# Altium PCB 2019.06.16.master.PcbDoc (part 4 of 5) (continued)
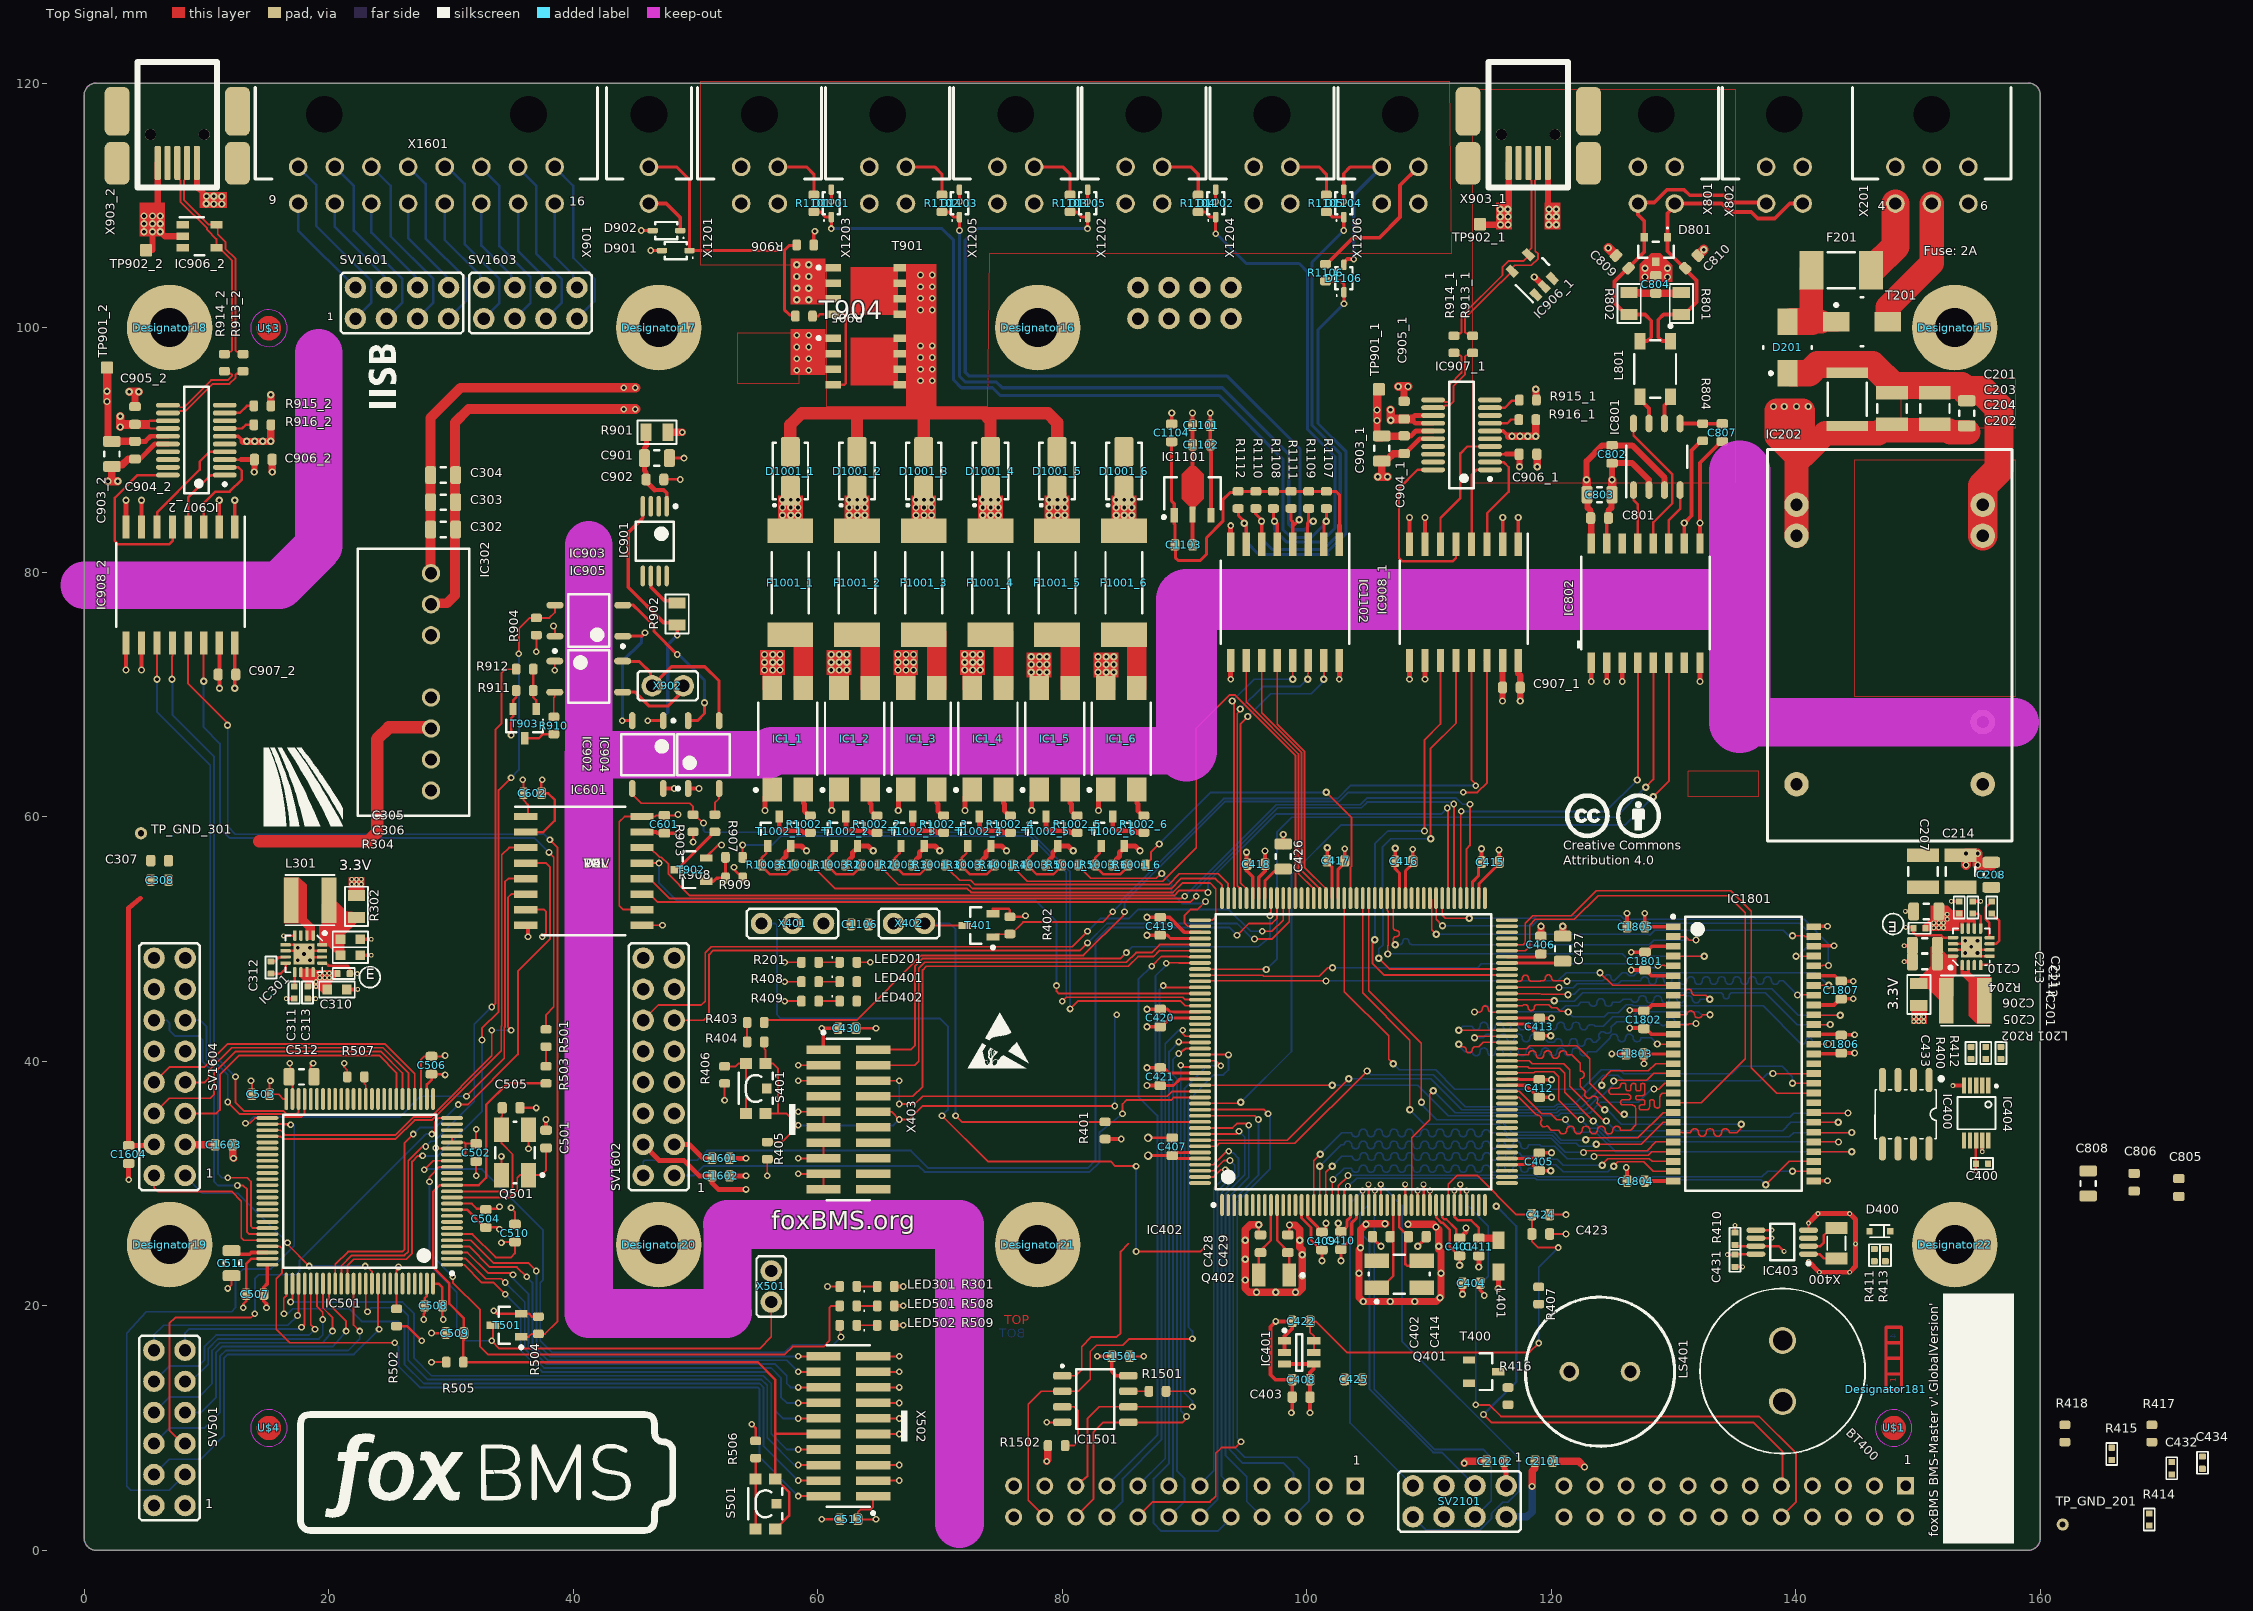
[diagram p0: Top Signal view]
## Nets (pads, with @x,y where several pads share a name; then routed paths per layer and width w, separated by ;. In a path a pad name is that pad's centre, name@x,y a point inside that pad or via, vN(x,y) a via of type N, cw(c..) or ccw(c..) an arc to the next point about the centre after c; other vN are vias at no path point) (continued)
  Top Signal w0.3: v1(3.429,71.999) IC908_2.9@3.429,74.193 ; IC908_2.15@11.049,74.193 11.074,74.168 v1(11.074,70.51) ; 16.533,45.118 C311.2@17.183,45.118 ; C313.2@18.283,45.118 18.933,45.118 ; C310.2@21.483,45.868 22.383,45.868 ; C306.2@22.583,48.668 23.483,48.668 ; C305.2@22.583,49.968 23.483,49.968
  Top Signal w0.305: v2(36.303,50.169) IC601.8@36.303,51.122 ; C501.1@37.782,34.355 v2(37.782,35.228) ; R509.1@66.264,18.4 v2(67.005,18.4) ; R508.1@66.264,19.988 v2(67.005,19.988) ; R301.2@66.264,21.575 v2(67.005,21.575)
  Top Signal w0.406: v2(3.651,30.306) C1604.2@3.651,31.52
  Top Signal w0.61: C1603.2@12.155,33.164 12.155,32.121 v2(12.224,32.053)
GND_EXT_0: C201.1 C202.2 C203.1 C204.1 C302.2 C303.2 C304.2 C1101.2 C1102.2 C1103.2 C1104.2 D1101.2 D1102.2 D1103.2 D1104.2 D1105.2 D1106.2 IC202.2 IC202.3 IC302.1 IC1101.2 IC1102.8 SV901.2 T201.2 X201.5 X1201.1 X1202.1 X1203.1 X1204.1 X1205.1 X1206.1 | length 121.3
  Top Signal w0.152: D1106.2@103.19,105.243 D1106.2@103.19,105.482
  Top Signal w0.254: v2(61.119,110.316) D1101.2@61.119,111.258 ; v2(71.596,110.316) D1103.2@71.596,111.258 ; v2(82.074,110.316) D1105.2@82.074,111.258 ; v2(92.551,110.316) D1102.2@92.551,111.258 ; v2(103.029,110.316) D1104.2@103.029,111.258 ; D1104.2@103.029,111.283 103.029,112.605 103.566,113.142 X1206.1@106.133,113.142
  Top Signal w0.305: C1104.2@88.951,92.114 v1(88.951,93.019) ; C1103.2@90.661,82.224 IC1101.2@90.661,84.701 C1102.2@90.661,90.424 C1101.2@90.661,91.999 v2(90.661,93.019) ; D1106.2@103.041,105.142 103.041,105.342 103.305,105.606 103.817,105.606 v2(103.835,105.588)
  Top Signal w0.4: IC1102.8@93.777,82.269 v2(93.777,83.803)
  Top Signal w0.813: IC302.1@28.375,79.91 28.344,79.941 C302.2@28.344,83.488 C303.2@28.344,85.71 C304.2@28.344,87.933 28.344,92.623 30.797,95.076 v2(44.133,95.076) v2(45.085,95.076)
  Top Signal w2: 138.455,93.218 138.455,93.193 ; IC202.3@140.056,82.976 IC202.2@140.056,85.516 140.056,88.976 ; 147.525,101.321 147.525,101.653 151.13,105.258 X201.5@151.13,110.145 ; 154.114,91.44 152.629,91.44 152.451,91.618 147.041,91.618 146.761,91.338 142.418,91.338 141.021,89.941 ; 138.455,93.193 138.455,92.507 140.564,90.398 ; 138.455,93.193 138.481,93.218 140.564,93.218 140.564,90.398 ; 138.455,93.193 138.43,93.167 138.43,91.11 140.056,89.484 140.056,88.976 ; 140.056,88.976 141.021,89.941 ; 140.564,90.398 141.021,89.941
  Inner Signal w2: 91.973,114.376 91.973,109.285 91.001,108.313 91.001,107.029 93.81,104.22 SV901.2@93.81,103.27
  Bottom Signal w0.305: v2(103.835,105.588) 103.835,110.844 X1206.1@106.133,113.142
  other v1: 138.176,93.548 139.065,93.548 140.056,93.548 141.021,93.548
GND_EXT_2: C901.2 C902.2 D901.2 D902.2 R906.1 SV901.4 SV901.6 SV901.8 T901.1 T901.2 T901.3 T904.1 T904.2 T904.3 X201.3 X201.6 | length 5.5
  Top Signal w0.203: D902.2@46.487,107.935 D902.2@46.514,107.908 ; C902.2@47.541,87.577 v2(48.755,87.577)
  Top Signal w0.254: v2(45.561,107.935) D902.2@46.487,107.935 ; v2(46.355,106.299) D901.2@47.262,106.299 ; C901.2@47.8,89.323 C901.2@47.875,89.323 v2(49.073,89.323) ; R906.1@59.679,106.756 59.679,107.774 v2(59.773,107.867)
  Bottom Signal w1.27: SV901.4@91.27,103.27 SV901.4@91.281,103.27
  other v1: 58.293,102.273 59.258,102.273 58.293,103.226 59.258,103.226 58.293,104.178 59.258,104.178 58.293,105.131 59.258,105.131
  other v2: 58.293,96.507 59.258,96.507 58.293,97.46 59.258,97.46 58.293,98.412 59.258,98.412 58.293,99.365 59.258,99.365
GPIO.RTC_INT#: IC403.7 R410.1 | length 4.2
  Top Signal w0.2: R410.1@135.024,24.877 IC403.7@136.734,24.877 138.6,24.877 v3(139.04,24.437)
GPIO_MCU_1_0: IC501.83 SV501.7 | length 22.4
  Top Signal w0.152: IC501.83@20.042,21.604 20.042,20.106 21.431,18.718 v2(21.431,17.924)
  Bottom Signal w0.152: SV501.7@8.255,11.27 8.269,11.256 9.525,11.256 10.795,12.526 10.795,16.178 11.271,16.654 20.32,16.654 v2(21.431,17.924)
GPIO_MCU_1_1: IC501.82 SV501.8 | length 23
  Top Signal w0.152: IC501.82@19.543,21.604 19.543,19.813 20.32,19.035 v2(20.32,17.924)
  Bottom Signal w0.152: SV501.8@5.715,11.27 6.971,12.526 9.366,12.526 10.477,13.638 10.477,16.336 11.112,16.971 19.526,16.971 v2(20.32,17.924)
GPIO_MCU_1_2: IC501.81 SV501.9 | length 18
  Top Signal w0.152: IC501.81@19.042,21.804 19.042,19.953 19.526,19.47 v2(19.526,18.876)
  Bottom Signal w0.152: SV501.9@8.255,13.81 8.745,13.81 10.16,15.225 10.16,16.495 10.954,17.289 19.209,17.289 19.526,17.606 v2(19.526,18.876)
GPIO_MCU_1_3: IC501.80 SV501.10 | length 19.3
  Top Signal w0.152: IC501.80@18.543,21.604 18.543,18.431 v2(18.891,18.083)
  Bottom Signal w0.152: SV501.10@5.715,13.81 6.971,15.066 9.366,15.066 9.842,15.543 9.842,16.654 10.795,17.606 18.415,17.606 v2(18.891,18.083)
GPIO_MCU_1_4: IC501.79 SV501.11 | length 14.9
  Top Signal w0.152: 18.042,18.455 v2(17.78,18.241) 18.042,18.504 IC501.79@18.042,21.604
  Bottom Signal w0.152: SV501.11@8.255,16.35 8.255,17.765 8.572,18.083 17.621,18.083 v2(17.78,18.241)
GPIO_MCU_1_5: IC501.78 SV501.12 | length 16.1
  Top Signal w0.152: v2(17.462,19.194) 17.543,19.274 IC501.78@17.543,21.604
  Bottom Signal w0.152: SV501.12@5.715,16.35 5.715,17.606 6.509,18.4 16.669,18.4 v2(17.462,19.194)
HSE_1_MCU_0: C402.2 IC402.29 Q401.1 | length 8
  Top Signal w0.2: Q401.1@105.719,21.481 106.119,21.481 107.072,22.434 107.072,25.068 107.072,25.162 ; IC402.29@107.072,28.234 C402.2@107.072,25.654 ; 107.072,25.162 C402.2@107.072,25.654 ; 107.072,25.162 C402.2@107.072,25.654
HSE_1_MCU_1: C501.2 IC501.12 Q501.1 | length 11
  Top Signal w0.152: IC501.12@30.092,28.854 34.823,28.854 35.433,29.464 35.433,30.471 35.641,30.679 Q501.1@36.343,30.679 37.384,30.679 37.782,31.077 C501.2@37.782,32.905
HSE_2_MCU_0: C414.1 IC402.30 Q401.3 | length 9.6
  Top Signal w0.2: IC402.30@107.573,28.234 107.573,26.399 107.945,26.026 ; C414.1@108.317,25.654 C414.1@108.072,25.899 ; Q401.3@109.419,23.681 109.005,23.266 108.204,23.266 108.072,23.398 ; 107.945,26.026 C414.1@108.072,25.899 ; 107.945,26.026 C414.1@108.072,25.899 ; 108.072,23.398 C414.1@108.072,25.899 ; 108.072,23.398 C414.1@108.072,25.899
HSE_2_MCU_1: C505.1 IC501.13 Q501.3 | length 12
  Top Signal w0.152: IC501.13@30.092,29.354 34.815,29.354 35.052,29.591 35.052,32.368 34.142,33.277 Q501.3@34.142,34.379 34.142,35.48 34.2,35.538 C505.1@34.2,36.18
I2C3.SCL: IC400.6 IC402.119 IC403.6 IC404.7 R414.1 | length 1.3
  Top Signal w0.2: IC403.6@136.734,25.527 v3(138.04,25.527)
I2C3.SDA: IC400.5 IC402.118 IC403.5 IC404.6 R415.1 | length 1.3
  Top Signal w0.2: IC403.5@136.734,26.177 v3(138.04,26.177)
INTERLOCK_CONTROL_MCU_0: IC402.146 R909.2 | length 50.9
  Top Signal w0.152: R909.2@53.859,56.678 v2(53.859,57.683) ; v2(80.01,44.911) 80.328,45.229 89.852,45.229 90.048,45.034 IC402.146@91.072,45.034
  Bottom Signal w0.152: v2(53.859,57.683) 56.27,57.683 56.991,58.405 77.371,58.405 80.328,55.448 80.328,45.229 v2(80.01,44.911)
INTERLOCK_CONTROL_MCU_1: IC501.85 R912.2 | length 59.6
  Top Signal w0.152: IC501.85@21.042,21.604 21.042,23.25 21.907,24.115 26.194,24.115 26.511,24.433 26.511,31.867 27.664,33.02 v2(27.94,33.02) ; v2(33.337,44.435) 33.655,44.753 33.655,67.136 34.131,67.613 34.131,71.74 34.449,72.058 R912.2@35.186,72.058
  Bottom Signal w0.152: v2(27.94,33.02) 28.371,33.451 28.647,33.451 31.909,36.713 31.909,43.006 v2(33.337,44.435)
INTERLOCK_FEEDBACK_MCU_0: IC402.147 IC902.3 R903.2 | length 61.2
  Top Signal w0.152: IC902.3@44.831,61.84 45.573,61.098 49.519,61.098 49.814,60.803 49.814,60.166 R903.2@49.818,60.161 ; R903.2@49.809,60.161 R903.2@49.818,60.161 ; v2(50.667,59.487) 50.584,59.487 49.909,60.161 R903.2@49.818,60.161 ; v2(80.645,44.276) 81.28,44.911 89.694,44.911 90.071,44.534 IC402.147@91.072,44.534
  Bottom Signal w0.152: v2(50.667,59.487) 50.667,58.855 50.8,58.723 77.421,58.723 80.645,55.499 ; v2(80.645,44.276) 80.645,55.448
INTERLOCK_FEEDBACK_MCU_1: IC501.86 IC903.3 R904.2 | length 67.1
  Top Signal w0.152: IC501.86@21.543,21.604 IC501.86@21.543,21.804 21.543,23.274 22.066,23.798 26.352,23.798 26.829,24.274 26.829,31.782 27.305,32.258 v2(27.686,32.258) ; v2(32.544,41.736) 32.544,42.689 33.909,44.054 33.909,62.171 v2(34.925,63.187) ; v2(35.56,73.328) 35.56,75.373 36.437,76.25 R904.2@36.989,76.25 38.064,76.25 38.511,76.697 IC903.3@38.511,77.298
  Bottom Signal w0.152: v2(27.686,32.258) 28.939,32.258 32.544,35.863 v2(32.544,41.736) ; v2(34.925,63.187) 35.56,63.822 ; 35.56,63.83 v2(35.56,73.328)
INTERLOCK_STATUS: D901.1 R905.1 R906.2 SV901.1 X901.1 | length 24.7
  Top Signal w0.152: X901.1@46.2,113.06 X901.1@46.2,113.14
  Top Signal w0.203: R906.2@58.129,106.756 R906.2@58.185,106.812
  Top Signal w0.254: X901.1@46.2,113.14 48.453,113.14 49.512,112.08 D901.1@49.512,106.299 57.27,106.299 ; R905.1@58.177,100.94 58.075,101.042 57.697,101.042 57.27,101.469 57.27,106.299 ; R906.2@58.279,106.656 R906.2@58.279,106.756 58.248,106.726 57.697,106.726 57.27,106.299
  Bottom Signal w0.203: SV901.1@93.81,100.73 SV901.1@93.821,100.719
ISO_FTDI_DTR_1: IC907_1.1 IC908_1.4 | length 7.4
  Top Signal w0.2: IC908_1.4@113.476,82.269 113.476,87.937 113.855,88.316 ; 113.762,88.316 113.855,88.316 ; 113.855,88.316 113.903,88.364 IC907_1.1@114.98,88.364 ; IC907_1.1@114.98,88.364 IC907_1.1@114.983,88.367 IC907_1.1@114.98,88.364
ISO_FTDI_DTR_2: IC907_2.1 IC908_2.4 | length 6.2
  Top Signal w0.2: IC908_2.4@8.509,83.693 8.509,86.106 10.287,87.884 10.381,87.884 10.429,87.932 11.505,87.932 IC907_2.1@11.508,87.935
ISO_FTDI_RTS_1: IC907_1.2 IC908_1.3 | length 8.8
  Top Signal w0.2: IC908_1.3@114.746,82.269 114.746,84.808 116.52,86.582 116.52,88.58 116.101,88.999 114.985,88.999 IC907_1.2@114.983,89.002
ISO_FTDI_RTS_2: IC907_2.2 IC908_2.3 | length 8.1
  Top Signal w0.2: IC908_2.3@9.779,83.693 9.779,85.623 10.744,86.589 11.905,86.589 12.903,87.587 12.903,88.29 12.627,88.567 11.511,88.567 IC907_2.2@11.508,88.57
ISO_FTDI_RX_1: IC907_1.4 IC908_1.6 | length 10.8
  Top Signal w0.2: IC908_1.6@110.936,82.269 110.936,84.425 112.561,86.05 112.561,89.702 113.13,90.272 IC907_1.4@114.983,90.272
ISO_FTDI_RX_2: IC907_2.4 IC908_2.6 | length 9.2
  Top Signal w0.2: IC908_2.6@5.969,83.693 5.969,84.887 9.449,88.367 9.449,89.027 10.262,89.84 IC907_2.4@11.508,89.84
ISO_FTDI_TX_1: IC907_1.20 IC908_1.5 | length 15.1
  Top Signal w0.2: IC907_1.20@110.333,88.367 109.072,88.367 107.544,86.839 107.544,81.153 107.823,80.874 111.927,80.874 112.206,81.153 IC908_1.5@112.206,82.269
ISO_FTDI_TX_2: IC907_2.20 IC908_2.5 | length 14.7
  Top Signal w0.2: IC907_2.20@6.858,87.935 4.369,87.935 2.515,86.081 2.515,82.55 2.794,82.271 6.96,82.271 7.239,82.55 IC908_2.5@7.239,83.693
ISO_GPIO_MCU_0_IN_0: IC402.100 JP2202.21
ISO_GPIO_MCU_0_IN_1: IC402.101 JP2202.24 | length 0
  Bottom Signal w0.152: JP2202.24@121.03,2.73 JP2202.24@121.032,2.732
ISO_GPIO_MCU_0_IN_2: IC402.154 JP2201.14 | length 40.7
  Top Signal w0.152: v2(89.535,40.625) 90.102,41.034 IC402.154@91.072,41.034
  Bottom Signal w0.152: JP2201.14@88.73,2.73 90.011,4.011 90.011,5.859 89.376,6.494 89.376,38.561 89.059,38.879 89.059,40.149 v2(89.535,40.625)
ISO_GPIO_MCU_0_IN_3: IC402.173 JP2201.9 | length 31.7
  Top Signal w0.152: IC402.173@91.072,31.534 92.367,31.534 93.472,32.639 v2(93.61,32.639)
  Bottom Signal w0.152: v2(93.61,32.639) 93.748,32.639 93.884,32.503 93.985,32.503 94.409,32.079 94.409,30.611 93.027,29.229 93.027,6.053 JP2201.9@93.81,5.27
ISO_GPIO_MCU_0_OUT_0: IC402.152 JP2201.10 | length 50.5
  Top Signal w0.152: v2(89.852,42.53) 89.852,42.227 90.046,42.034 IC402.152@91.072,42.034
  Bottom Signal w0.152: v2(89.852,42.53) 89.535,42.53 88.424,41.419 88.424,38.561 88.741,38.244 88.741,7.129 87.471,5.859 87.471,2.208 88.106,1.573 92.71,1.573 93.81,2.673 JP2201.10@93.81,2.729
ISO_GPIO_MCU_0_OUT_1: IC402.153 JP2201.13 | length 38.5
  Top Signal w0.152: v2@89.491,41.534 v2(89.535,41.578) 89.579,41.534 IC402.153@91.072,41.534
  Bottom Signal w0.152: JP2201.13@88.73,5.27 89.059,5.599 89.059,38.403 88.741,38.72 88.741,40.784 v2(89.535,41.578)
ISO_GPIO_MCU_0_OUT_2: IC402.174 JP2201.12 | length 33.5
  Top Signal w0.152: IC402.174@91.072,31.034 92.375,31.034 93.218,31.877 v2(93.726,31.877)
  Bottom Signal w0.152: JP2201.12@91.27,2.73 92.71,4.17 92.71,29.388 94.107,30.785 94.107,31.496 v2(93.726,31.877)
ISO_GPIO_MCU_0_OUT_3: IC402.175 JP2201.11 | length 29.2
  Top Signal w0.152: IC402.175@91.072,30.534 92.383,30.534 92.964,31.115 v2(93.345,31.115)
  Bottom Signal w0.152: JP2201.11@91.27,5.27 91.281,5.281 91.281,5.383 92.392,6.494 92.392,29.596 93.345,30.548 v2(93.345,31.115)
ISONOC_0_CONTROL: IC402.85 JP2202.15
ISONOC_1_CONTROL: IC402.86 JP2202.18
ISONOC_2_CONTROL: IC402.87 JP2202.17
ISONOC_3_CONTROL: IC402.88 JP2202.20
ISONOC_4_CONTROL: IC402.89 JP2202.19
ISONOC_5_CONTROL: IC402.99 JP2202.22 | length 0
  Bottom Signal w0.152: JP2202.22@123.57,2.73 JP2202.22@123.572,2.732
LSE_1_MCU_0: C428.2 IC402.9 Q402.2 | length 6.1
  Top Signal w0.2: Q402.2@96.057,22.52 96.057,24.339 96.063,24.345 97.073,25.354 IC402.9@97.073,28.234
LSE_2_MCU_0: C429.1 IC402.10 Q402.1 | length 6.1
  Top Signal w0.2: IC402.10@97.573,28.234 97.573,25.35 98.557,24.365 Q402.1@98.557,22.52
MCU_0_NRESET: C425.1 IC201.4 IC402.31 R404.1 R405.1 S401.3 S401.4 X403.10 | length 51.9
  Top Signal w0.152: R404.1@55.628,41.578 55.628,41.026 55.728,40.926 S401.4@55.728,39.818 56.329,39.818 56.769,39.378 56.769,35.717 ; S401.3@55.728,35.717 56.769,35.717 ; R405.1@55.88,33.388 57.056,33.388 v2(58.42,34.751) 57.454,35.717 56.769,35.717 ; X403.10@64.535,35.863 66.04,35.863 v2(66.675,35.228) 67.469,35.228 68.58,36.339 v2(84.296,36.339)
  Top Signal w0.2: IC402.31@108.072,28.234 v4@108.072,29.903 ; IC201.4@155.106,47.872 156.021,47.872
  Bottom Signal w0.152: v2(58.42,34.751) 66.199,34.751 v2(66.675,35.228) ; v2(84.296,36.339) 84.296,43.641 v2(84.455,43.8)
  other v4: 108.05,29.926
MCU_0_RTC_ALARM_OUT: IC402.8 X401.3 | length 60.8
  Top Signal w0.152: v2(70.168,35.545) 73.912,31.801 83.955,31.801 84.338,31.418 v2(86.042,31.418) ; v2(86.042,24.433) 91.281,24.433 91.599,24.75
  Bottom Signal w0.152: X401.3@55.404,51.261 56.514,51.261 56.674,51.102 56.674,43.8 56.991,43.483 70.009,43.483 70.644,42.848 70.644,36.021 v2(70.168,35.545) ; v2(86.042,24.433) v2(86.042,31.418)
MCU_0_RTC_WAKEUP_IN: IC402.40 X401.2 | length 1.7
  Top Signal w0.2: IC402.40@112.572,28.234 v4@112.572,29.903
  other v4: 112.549,29.926
MCU_0_SWCLK: IC402.137 X403.4 | length 35.1
  Top Signal w0.152: X403.4@64.535,39.673 67.945,39.673 68.263,39.99 68.263,47.61 68.739,48.086 85.249,48.086 86.042,48.88 87.312,48.88 87.966,49.534 IC402.137@91.072,49.534
MCU_0_SWDIO: IC402.124 X403.2 | length 43.6
  Top Signal w0.152: X403.2@64.535,40.943 67.627,40.943 67.945,41.26 67.945,47.769 68.58,48.404 84.772,48.404 v2(85.249,48.88) ; IC402.124@97.072,53.534 v2@97.072,51.979 ; v2@97.072,51.979 97.072,51.972 v2(96.996,51.896) v2@97.072,51.979
  Bottom Signal w0.152: v2(85.249,48.88) 85.725,49.356 96.044,49.356 96.996,50.15 v2(96.996,51.896)
MCU_0_SWO: IC402.161 X403.6 | length 28.9
  Top Signal w0.152: X403.6@64.535,38.403 v2(66.675,38.403) ; v2(66.675,36.498) 67.945,36.498 68.58,37.133 88.582,37.133 88.984,37.534 IC402.161@91.072,37.534
  Bottom Signal w0.152: v2(66.675,36.498) v2(66.675,38.403)
MCU_0_TDI: IC402.138 X403.8 | length 37.3
  Top Signal w0.152: X403.8@64.535,37.133 67.786,37.133 68.58,37.926 68.58,47.451 68.897,47.769 85.407,47.769 86.196,48.557 87.466,48.557 87.947,49.039 87.952,49.034 IC402.138@91.273,49.034
MCU_1_NRESET: C509.1 IC301.4 IC501.14 R503.1 R505.1 S501.3 S501.4 X502.10 | length 75.5
  Top Signal w0.2: v3(16.318,50.243) IC301.4@17.233,50.243
  Top Signal w0.203: R503.1@37.782,38.179 34.623,38.179 32.893,36.449 32.893,30.48 32.267,29.854 IC501.14@30.092,29.854 29.091,29.854 28.574,29.337 28.574,23.115 29.878,21.811 29.878,20.16 31.046,18.992 C509.1@31.046,17.765 31.046,17.188 31.021,17.163 R505.1@31.021,15.384 55.101,15.384 56.521,13.964 56.521,9.525 ; S501.3@56.521,1.745 56.571,1.745 57.658,2.832 57.658,4.758 56.571,5.845 S501.4@56.521,5.845 56.521,9.525 ; X502.10@60.465,9.51 58.963,9.51 58.948,9.525 56.521,9.525
MCU_1_SWCLK: IC501.76 X502.4 | length 57.2
  Top Signal w0.152: v2(16.351,19.353) 16.337,19.367 16.337,20.596 16.543,20.802 IC501.76@16.543,21.804 ; v2(58.42,5.7) X502.4@60.465,5.7
  Bottom Signal w0.152: v2(16.351,19.353) 16.669,19.353 17.064,19.748 21.671,19.748 22.701,18.718 25.717,18.718 26.194,18.241 26.194,15.225 27.781,13.638 55.245,13.638 55.562,13.32 55.562,8.558 v2(58.42,5.7)
MCU_1_SWDIO: IC501.72 X502.2 | length 62.6
  Top Signal w0.152: IC501.72@14.993,24.854 15.994,24.854 16.192,24.655 16.192,22.686 15.716,22.21 15.716,18.083 16.828,16.971 v2(25.4,16.971) ; v2(58.42,4.43) X502.2@60.465,4.43
  Bottom Signal w0.152: v2(25.4,16.971) 25.717,16.654 25.717,15.066 27.464,13.32 55.086,13.32 55.245,13.161 55.245,7.605 v2(58.42,4.43)
MCU_1_SWO: IC501.89 X502.6 | length 49.6
  Top Signal w0.152: v2@23.019,19.67 v2@23.043,19.646 ; IC501.89@23.043,21.604 v2@23.043,19.646 ; v2(23.177,19.511) v2@23.043,19.646 ; v2(58.42,6.97) X502.6@60.465,6.97
  Bottom Signal w0.152: v2(23.177,19.511) 23.495,19.829 25.876,19.829 26.511,19.194 26.511,15.543 28.099,13.955 55.404,13.955 55.88,13.479 55.88,9.193 58.102,6.97 v2(58.42,6.97)
MCU_1_TDI: IC501.77 X502.8 | length 54.7
  Top Signal w0.152: v2@17.042,20.408 16.94,20.305 v2(16.891,20.305) 16.891,20.369 17.042,20.52 IC501.77@17.042,21.604 ; v2(58.42,8.24) X502.8@60.465,8.24
  Bottom Signal w0.152: v2(16.891,20.305) 26.035,20.305 26.987,19.353 26.987,15.701 28.416,14.273 55.562,14.273 56.197,13.638 56.197,9.51 57.468,8.24 v2(58.42,8.24)
MCU_TO_FPGA_INTERFACE_MCU_0_CS: IC402.24 SV2101.7 | length 28
  Top Signal w0.2: IC402.24@104.573,28.234 v4(104.573,29.412) v4@104.573,29.52
  Bottom Signal w0.15: v4(104.573,29.412) 103.55,28.39 103.55,10.41 SV2101.7@108.69,5.27
MCU_TO_FPGA_INTERFACE_MCU_0_MISO: IC402.26 SV2101.4 | length 34.8
  Top Signal w0.2: IC402.26@105.573,28.234 v4(105.573,29.412) v4@105.573,29.52
  Bottom Signal w0.15: 105.52,24.435 105.52,29.36 v4(105.573,29.412)
  Bottom Signal w0.152: 105.52,24.435 105.52,13.174 110.439,8.255 114.437,8.255 115.094,7.543 115.094,4.054 SV2101.4@113.77,2.73
MCU_TO_FPGA_INTERFACE_MCU_0_MOSI: IC402.27 SV2101.8 | length 42.1
  Top Signal w0.2: IC402.27@106.072,28.234 v4@106.072,29.903
  Bottom Signal w0.15: v4(106.05,29.926) 107.783,28.193 107.783,17.099 117.36,7.522 117.36,4.835 116.446,3.922 116.017,3.922 115.103,3.008 115.103,2.578 114.205,1.68 109.74,1.68 SV2101.8@108.69,2.73
MCU_TO_FPGA_INTERFACE_MCU_0_SCK: IC402.25 SV2101.3 | length 30.9
  Top Signal w0.2: IC402.25@105.072,28.234 v4@105.072,29.903
  Bottom Signal w0.15: v4(105.05,29.926) 105.05,28.24 104.338,27.529 104.338,26.45 104.345,26.443 104.345,26.007 105.12,25.233 105.12,13.219 110.335,8.004 111.036,8.004 SV2101.3@113.77,5.27
MCU_TO_MCU_INTERFACE_MCU_0_CS: IC402.92 IC601.12 | length 79.8
  Top Signal w0.152: IC601.12@45.628,54.932 46.278,54.932 47.913,53.296 89.716,53.296 89.904,53.484 v2(90.011,53.484) ; IC402.92@113.073,53.334 113.073,57.376 113.347,57.651 v2(113.347,61.011)
  Bottom Signal w0.152: v2(90.011,53.484) 97.505,60.977 104.371,60.977 104.912,61.518 112.23,61.518 112.738,61.011 v2(113.347,61.011)
MCU_TO_MCU_INTERFACE_MCU_0_MISO: IC402.94 IC601.11 | length 78.2
  Top Signal w0.152: IC601.11@45.628,53.662 46.278,53.662 46.934,53.006 90.486,53.006 v2(90.964,53.484) ; v2(112.032,61.04) 112.052,61.02 112.052,53.354 IC402.94@112.073,53.334
  Bottom Signal w0.152: v2(90.964,53.484) 90.964,54.059 97.629,60.725 104.475,60.725 104.934,61.184 111.78,61.184 111.924,61.04 v2(112.032,61.04)
MCU_TO_MCU_INTERFACE_MCU_0_MOSI: IC402.95 IC601.14 | length 79
  Top Signal w0.152: IC601.14@45.628,57.472 46.278,57.472 47.07,56.68 47.224,56.68 47.803,56.101 47.803,55.289 49.543,53.549 89.163,53.549 89.576,53.962 91.65,53.962 91.815,53.797 v2(91.923,53.797) ; v2(111.481,60.706) 111.544,60.642 111.544,53.362 IC402.95@111.572,53.334
  Bottom Signal w0.152: v2(91.923,53.797) 91.923,54.661 97.467,60.206 110.98,60.206 v2(111.481,60.706)
MCU_TO_MCU_INTERFACE_MCU_0_SCK: IC402.145 IC601.13 | length 54.4
  Top Signal w0.152: IC601.13@45.406,56.202 IC601.13@45.628,56.202 v2(47.026,56.202) ; v2(79.534,46.181) 79.534,45.705 79.705,45.534 IC402.145@91.072,45.534
  Bottom Signal w0.152: v2(47.026,56.202) 47.026,54.559 48.419,53.166 77.787,53.166 79.534,51.42 v2(79.534,46.181)
MCU_TO_MCU_INTERFACE_MCU_1_CS: IC501.51 IC601.5 | length 41.8
  Top Signal w0.152: v2(13.208,34.925) 13.562,34.925 13.991,35.354 IC501.51@14.993,35.354 ; v2(31.274,37.133) 34.371,40.229 34.371,42.76 34.417,42.806 34.417,54.661 34.688,54.932 IC601.5@36.128,54.932 IC601.5@36.351,54.932
  Bottom Signal w0.152: v2(13.208,34.925) 13.335,34.925 13.843,35.433 25.806,35.433 27.505,37.133 v2(31.274,37.133)
MCU_TO_MCU_INTERFACE_MCU_1_MISO: IC501.53 IC601.6 | length 37.8
  Top Signal w0.152: IC501.53@14.792,34.354 IC501.53@14.993,34.354 16.065,34.354 16.461,33.958 25.449,33.958 26.924,35.433 28.343,35.433 33.337,40.428 v2(33.337,42.53) ; v2(34.925,42.53) 34.671,42.784 34.671,53.391 34.942,53.662 IC601.6@36.128,53.662 IC601.6@36.351,53.662
  Bottom Signal w0.152: v2(33.337,42.53) v2(34.925,42.53)
MCU_TO_MCU_INTERFACE_MCU_1_MOSI: IC501.54 IC601.3 | length 40.9
  Top Signal w0.152: IC501.54@14.792,33.854 16.057,33.854 16.271,33.64 25.49,33.64 27.029,35.179 28.448,35.179 34.117,40.848 34.117,42.865 34.163,42.911 34.163,56.868 34.766,57.472 IC601.3@36.128,57.472 IC601.3@36.351,57.472
MCU_TO_MCU_INTERFACE_MCU_1_SCK: IC501.84 IC601.4 | length 47.2
  Top Signal w0.152: IC501.84@20.543,21.604 IC501.84@20.543,21.804 20.543,23.385 21.59,24.433 26.035,24.433 26.194,24.591 26.194,33.306 v2(26.924,34.036) ; v2(30.607,36.449) 31.374,36.449 35.479,40.554 35.479,47.371 38.1,49.991 38.1,55.884 37.782,56.202 IC601.4@36.351,56.202
  Bottom Signal w0.152: v2(26.924,34.036) 27.478,34.59 28.748,34.59 v2(30.607,36.449)
Memory_SUPPLY_CONTROL: IC402.33 JP2201.21 | length 1.3
  Top Signal w0.2: IC402.33@109.072,28.234 v4@109.072,29.52
  other v4: 109.072,29.412
NetC211_1: C211.1 IC201.9 | length 1.8
  Top Signal w0.2: C211.1@154.47,52.073 154.885,52.073 155.106,51.852 IC201.9@155.106,50.822
NetC212_1: C212.1 IC201.7 | length 3.4
  Top Signal w0.2: IC201.7@155.831,49.597 IC201.7@155.981,49.597 156.356,49.597 156.642,49.883 156.642,51.452 C212.1@156.021,52.073
NetC212_2: C212.2 IC201.8 | length 3.3
  Top Signal w0.2: IC201.8@155.831,50.097 155.831,51.314 155.526,51.619 155.526,52.578 C212.2@156.021,53.073
NetC305_1: C305.1 C306.1 IC301.16 L301.2 LED301.2 R302.2 | length 0.9
  Top Signal w0.152: v2(60.801,21.575) LED301.2@61.75,21.575
NetC311_1: C311.1 IC301.9 | length 1.1
  Top Signal w0.2: C311.1@17.233,46.168 IC301.9@17.233,47.143 IC301.9@17.233,47.293
NetC312_1: C312.1 IC301.7 | length 1.4
  Top Signal w0.2: C312.1@15.283,48.168 15.633,48.168 15.983,48.518 IC301.7@16.358,48.518 IC301.7@16.508,48.518
NetC312_2: C312.2 IC301.8 | length 1.8
  Top Signal w0.2: C312.2@15.283,47.168 16.083,47.168 16.508,47.593 IC301.8@16.508,48.018
NetC426_1: C426.1 IC402.125 | length 3.4
  Top Signal w0.25: IC402.125@96.572,53.334 96.572,54.741 97.57,55.739 C426.1@98.171,55.739
NetC427_1: C427.1 IC402.81 | length 4.5
  Top Signal w0.25: IC402.81@116.573,48.034 C427.1@120.955,48.034 ; C427.1@120.853,48.398 C427.1@120.929,48.475
NetC511_1: C511.1 IC501.73 | length 3
  Top Signal w0.305: C511.1@12.065,24.205 13.542,24.205 13.691,24.354 IC501.73@14.993,24.354
NetC512_1: C512.1 IC501.49 | length 3
  Top Signal w0.152: v2(16.828,39.831) 16.828,39.524 17.055,39.297 17.055,38.72 17.055,38.143 17.042,38.131 IC501.49@17.042,36.904
NetC901_1: C901.1 C902.1 IC901.1 R901.1 | length 7.1
  Top Signal w0.3: 46.66,86.716 47.396,86.716 47.648,86.464 IC901.1@47.648,85.385
  Top Signal w0.4: R901.1@45.992,91.228 45.992,90.316 45.825,90.15 C901.1@45.825,89.323 45.825,88.295 45.967,88.153 C902.1@45.967,87.577 45.967,87.409 46.66,86.716
NetD201_2: D201.2 F201.2 T201.1 | length 7.9
  Top Signal w1.6: 142.088,100.482 T201.1@143.305,100.482
  Top Signal w1.9: F201.2@141.263,104.699 141.263,100.532 141.311,100.484 142.086,100.484 142.088,100.482
  Top Signal w2.2: D201.2@139.649,100.484 141.311,100.484
NetD400_2: D400.2 R411.1
NetD902_1: D902.1 IC905.3 X901.2 X902.1 | length 54.2
  Top Signal w0.254: IC905.3@44.047,70.182 45.08,70.182 46.225,69.037 47.74,69.037 X902.1@49.403,70.7
  Top Signal w0.3: X901.2@46.2,110.145 47.614,110.145 48.75,109.009 D902.1@48.75,107.935
  Inner Signal w0.6: X901.2@46.2,110.145 42.57,106.515 42.57,77.14 X902.1@49.01,70.7
NetF201_1: F201.1 X201.4 | length 6
  Top Signal w2.3: F201.1@146.406,104.902 148.146,106.642 X201.4@148.146,110.145
NetF1001_1_1: F1001_1.1 IC1_1.3 | length 4.5
  Top Signal w1.6: IC1_1.3@58.826,70.52 F1001_1.1@58.826,75.016
NetF1001_2_1: F1001_2.1 IC1_2.3 | length 4.5
  Top Signal w1.6: IC1_2.3@64.283,70.52 F1001_2.1@64.283,75.016
NetF1001_3_1: F1001_3.1 IC1_3.3 | length 4.5
  Top Signal w1.6: IC1_3.3@69.739,70.52 F1001_3.1@69.739,75.016
NetF1001_4_1: F1001_4.1 IC1_4.3 | length 4.5
  Top Signal w1.6: IC1_4.3@75.195,70.52 F1001_4.1@75.195,75.016
NetF1001_5_1: F1001_5.1 IC1_5.3 | length 4.5
  Top Signal w1.6: IC1_5.3@80.651,70.52 F1001_5.1@80.651,75.016
NetF1001_6_1: F1001_6.1 IC1_6.3 | length 4.5
  Top Signal w1.6: IC1_6.3@86.107,70.52 F1001_6.1@86.107,75.016
NetIC1_1_2: IC1_1.2 R1002_1.2 | length 2.4
  Top Signal w0.4: IC1_1.2@58.826,62.22 58.826,61.119 58.922,61.023 58.922,60.456 59.293,60.085 R1002_1.2@59.393,60.085
NetIC1_2_2: IC1_2.2 R1002_2.2 | length 2.4
  Top Signal w0.4: IC1_2.2@64.283,62.22 64.283,61.119 64.378,61.023 64.378,60.456 64.749,60.085 R1002_2.2@64.849,60.085
NetIC1_3_2: IC1_3.2 R1002_3.2 | length 2.4
  Top Signal w0.4: IC1_3.2@69.739,62.22 69.739,61.119 69.834,61.023 69.834,60.456 70.205,60.085 R1002_3.2@70.305,60.085
NetIC1_4_2: IC1_4.2 R1002_4.2 | length 2.4
  Top Signal w0.4: IC1_4.2@75.195,62.22 75.195,61.119 75.291,61.023 75.291,60.456 75.661,60.085 R1002_4.2@75.761,60.085
NetIC1_5_2: IC1_5.2 R1002_5.2 | length 2.4
  Top Signal w0.4: IC1_5.2@80.651,62.22 80.651,61.119 80.747,61.023 80.747,60.456 81.117,60.085 R1002_5.2@81.217,60.085
NetIC1_6_2: IC1_6.2 R1002_6.2 | length 2.4
  Top Signal w0.4: IC1_6.2@86.107,62.22 86.107,61.119 86.203,61.023 86.203,60.456 86.573,60.085 R1002_6.2@86.673,60.085
NetIC201_1: IC201.1 IC201.2 L201.1 | length 1.2
  Top Signal w0.25: 153.606,47.182 IC201.1@153.606,47.722 ; 154.106,47.097 IC201.2@154.106,47.722
NetIC301_1: IC301.1 IC301.2 L301.1
NetIC402_58: IC402.58 R407.2
NetIC403_1: IC403.1 X400.2 | length 2.4
  Top Signal w0.2: IC403.1@141.034,24.227 141.931,24.227 142.297,23.861 X400.2@143.324,23.861
NetIC403_2: IC403.2 X400.1 | length 3.3
  Top Signal w0.2: IC403.2@141.034,24.877 142.017,24.877 142.299,25.159 142.299,25.759 142.9,26.361 X400.1@143.324,26.361
NetIC501_37: IC501.37 R507.2 | length 1.9
  Top Signal w0.152: R507.2@22.925,38.72 22.925,38.168 23.043,38.051 IC501.37@23.043,36.904
NetIC901_4: IC901.4 IC902.1 R902.1 | length 23.4
  Top Signal w0.254: v2(46.094,67.848) IC902.1@47.371,67.848
  Top Signal w0.3: IC901.4@45.698,85.385 45.698,84.433 44.507,83.243 44.507,78.759 47.422,75.844 48.509,75.844 R902.1@48.509,75.781 ; v2(48.509,74.83) R902.1@48.509,75.585 ; R902.1@48.578,75.585 R902.1@48.509,75.585 ; R902.1@48.609,75.881 R902.1@48.509,75.781 ; R902.1@48.509,75.585 R902.1@48.509,75.681 R902.1@48.509,75.781
  Bottom Signal w0.254: v2(46.094,67.848) 47.065,67.848 47.74,68.523 47.74,74.061 v2(48.509,74.83)
NetIC901_6: IC901.6 R902.2 | length 3.6
  Top Signal w0.3: IC901.6@46.348,79.685 46.348,78.773 47.473,77.648 R902.2@48.578,77.648
NetIC902_2: IC902.2 IC903.1 | length 10.7
  Top Signal w0.254: v2(44.023,67.838) 44.032,67.848 IC902.2@44.831,67.848 ; IC903.1@44.061,74.758 45.588,74.758 45.866,75.036 v2(45.876,75.036) 45.876,75.026 45.598,74.748
  Bottom Signal w0.254: v2@44.027,67.843 44.028,72.702 45.598,74.272 45.598,74.748
NetIC903_2: IC903.2 IC904.4 | length 14
  Top Signal w0.254: IC903.2@44.061,77.298 44.927,77.298 45.511,76.714 46.609,75.616 46.609,75.154 v2(48.509,73.254) ; IC904.4@49.403,67.848 50.165,67.848 50.749,68.432 v1(50.749,69.317)
  Bottom Signal w0.254: v2(48.509,73.254) 48.509,73.386 50.749,71.145 v1(50.749,69.317)
NetIC904_2: IC904.2 R907.2 | length 2.8
  Top Signal w0.152: R907.2@51.587,60.161 51.587,61.14 51.928,61.481 51.928,62.282 IC904.2@51.943,62.298 IC904.2@51.943,61.785